# Altium PCB PCB2.PcbDoc
Units mm, origin at the board's own origin, x right, y up, seen from the top; angles counter-clockwise.
Board outline 150 x 100 mm, 2 copper layers (Top Layer, Bottom Layer); 100 components, 91 nets, 437 pads, 9 vias.
Unrouted connection lines stored in the file: 280.
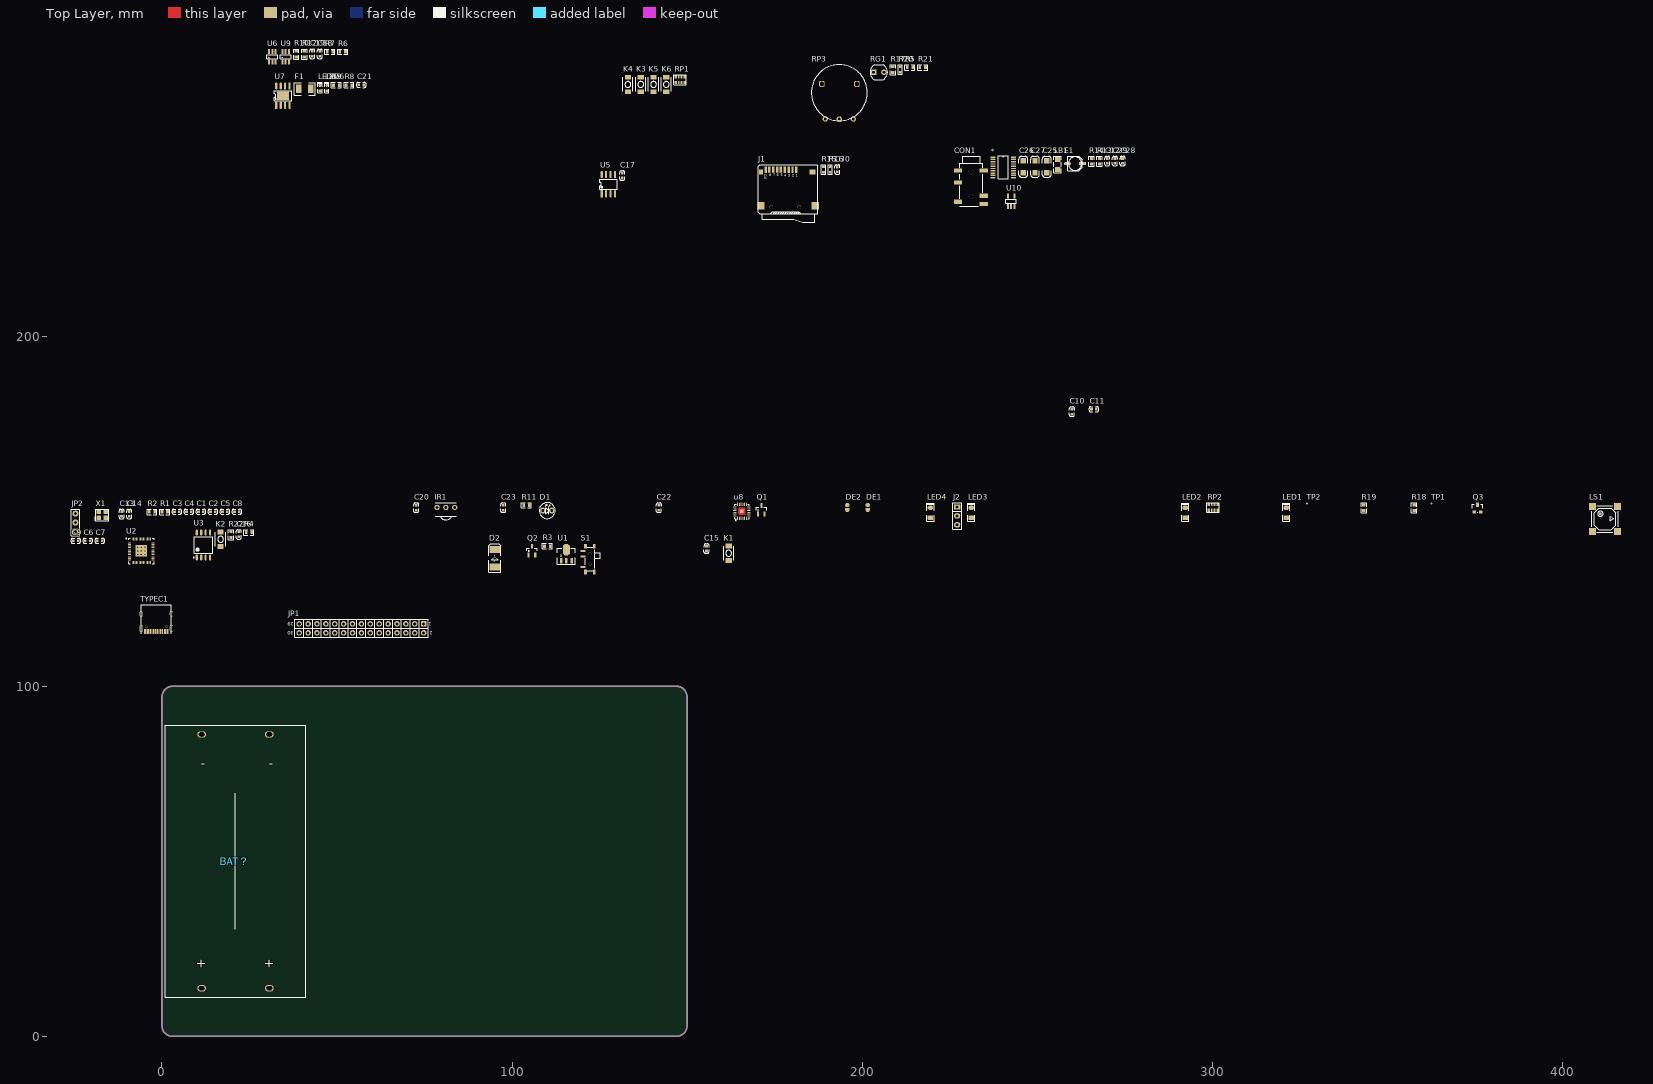
[diagram p0: Top Layer view]
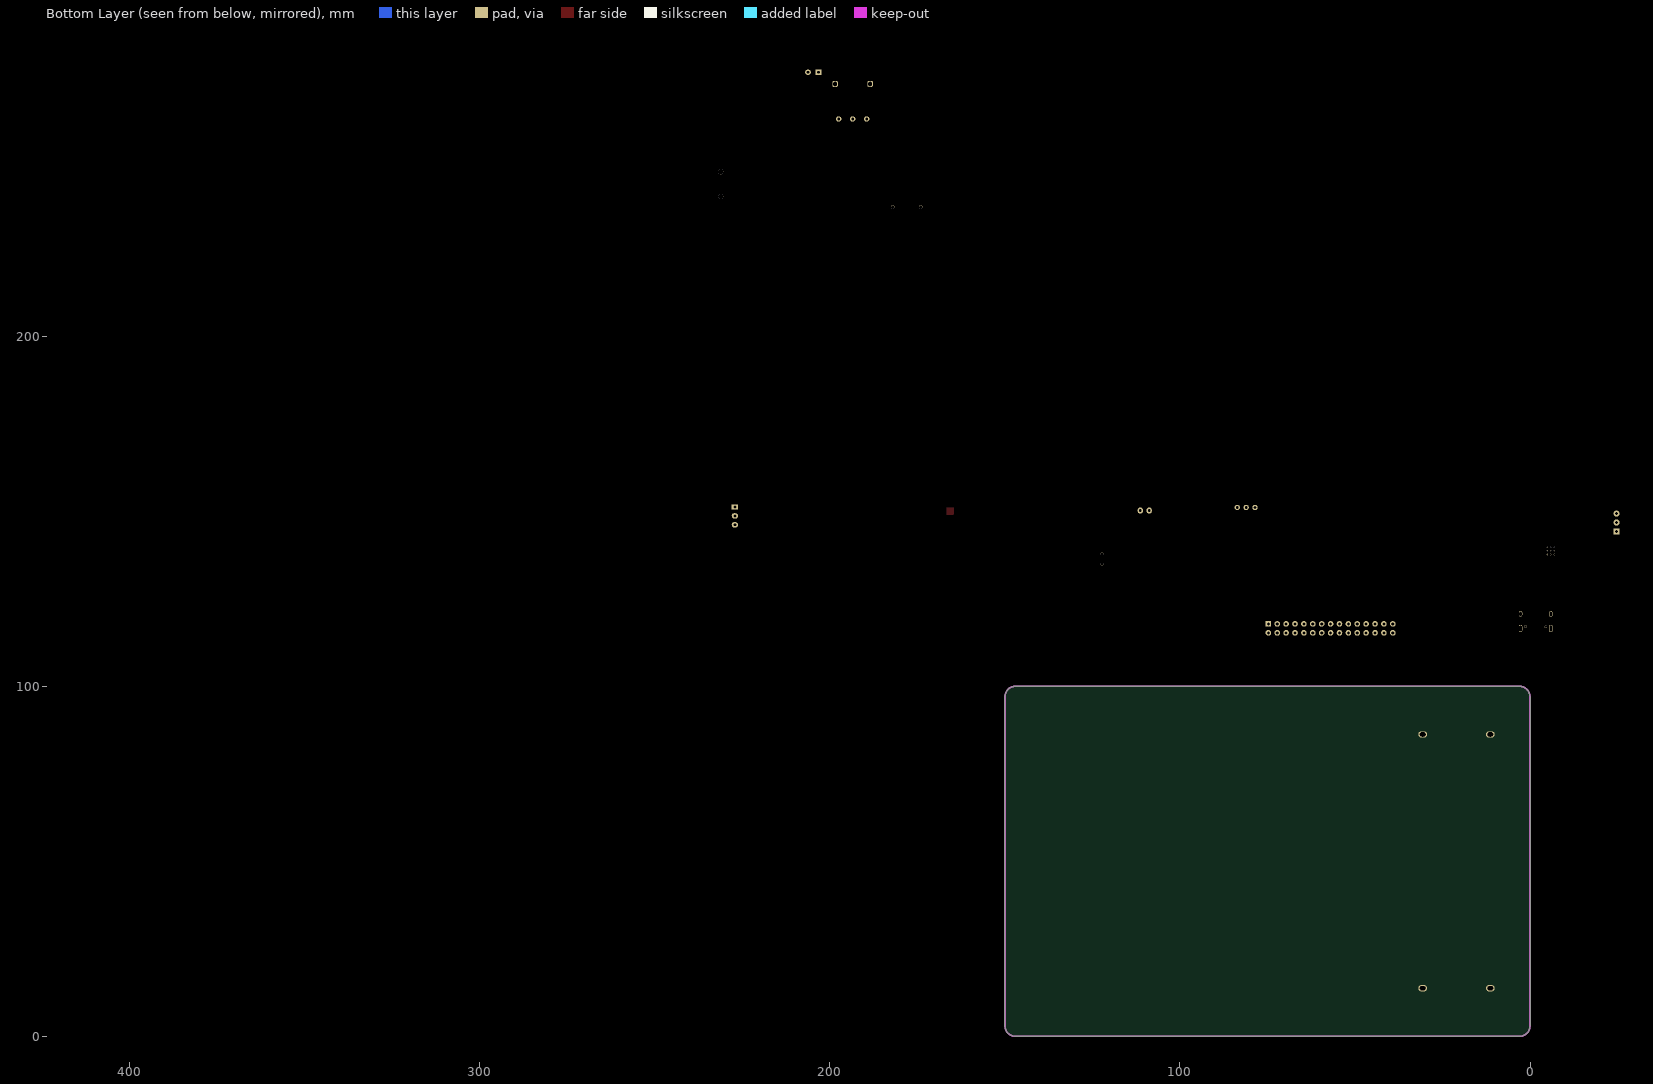
[diagram p1: Bottom Layer view, seen from below]

## Layer stack, top to bottom
Top Solder: solder mask 0.0102, Solder Resist, Dk 3.5
Top Layer: signal copper 0.0356
Dielectric 1: dielectric 0.32, FR-4, Dk 4.8
Bottom Layer: signal copper 0.0356
Bottom Solder: solder mask 0.0102, Solder Resist, Dk 3.5

## Board outline
0,3 0,97 cw(c3,97) 3,100 147,100 cw(c147,97) 150,97 150,3 cw(c147,3) 147,0 3,0 cw(c3,3)

## Design rules (kind name [scope] priority, off if disabled: settings)
Clearance [All] p1: gap=0.1 ignorepadtopadclearanceinfootprint=TRUE
ComponentClearance [All] p1 off: gap=0.254 collisioncheckmode=3 verticalgap=0.254 showdistances=FALSE
DiffPairsRouting [All] p1: maxlimit=0.254 minlimit=0.1 mostfreqgap=0.1 toplayer_minwidth=0.1 toplayer_maxwidth=0.381 toplayer_prefwidth=0.1 bottomlayer_minwidth=0.1 bottomlayer_maxwidth=0.381 bottomlayer_prefwidth=0.1 maxuncoupledlength=12.7
MinimumSolderMaskSliver [All] p1: minsoldermaskwidth=0.127
PlaneConnect [All] p1: pad.planeconnectstyle=Relief pad.reliefexpansion=0.508 pad.reliefentries=4 pad.reliefconductorwidth=0.5 pad.reliefairgap=0.254 via.planeconnectstyle=Direct via.reliefexpansion=0.508 via.reliefentries=4 via.reliefconductorwidth=0.254 via.reliefairgap=0.254
PolygonConnect [All] p1: thpad.connectstyle=Relief thpad.reliefconductorwidth=0.25 thpad.reliefentries=4 thpad.polygonreliefangle="90 Angle" thpad.airgapwidth=0.2 smdpad.connectstyle=Relief smdpad.reliefconductorwidth=0.25 smdpad.reliefentries=4 smdpad.polygonreliefangle="90 Angle" smdpad.airgapwidth=0.2 via.connectstyle=Direct via.reliefconductorwidth=0.254 via.reliefentries=4 via.polygonreliefangle="90 Angle" via.airgapwidth=0.254
RoutingVias [All] p1: holewidth=0.3 width=0.5 viastyle="Through Hole" minholewidth=0.3 minwidth=0.5 maxholewidth=0.711 maxwidth=1.27
SilkToSilkClearance [All] p1 off: silktosilkclearance=0.254
SilkToSolderMaskClearance [IsPad] p1 off: minsilkscreentomaskgap=0.254 clearancetoexposedcopper=TRUE
SolderMaskExpansion [All] p1: expansion=0.102 istentingtop=TRUE
Width [All] p1: maxlimit=1 minlimit=0.1 preferedwidth=0.1
24 further rules are at their usual default settings.

## Classes and differential pairs
differential pair D: +D_P -D_N

## Components (designator, comment, footprint, x,y, rotation, side; value= is the part's Value field where it differs from the comment)
* "PCM5101A" TSSOP20 237.368,251.164 r0 top
BAT？ "18650两节电池盒" 18650两节电池盒 21,50 r90 top
C1 "0.1u" 0603C 10.423,149.899 r0 top
C2 "1u" 0603C 13.85,149.899 r0 top
C3 "0.1u" 0603C 3.568,149.899 r0 top
C4 "1u" 0603C 6.996,149.899 r0 top
C5 "0.1u" 0603C 17.278,149.899 r0 top
C6 "0.1u" 0603C -21.899,141.571 r0 top
C7 "0.1u" 0603C -18.472,141.571 r0 top
C8 "0.1u" 0603C 20.705,149.899 r0 top
C9 "0.1u" 0603C -25.326,141.571 r0 top
C10 "0.1u" 0603C 259.921,177.752 r90 top
C11 "0.1u" 0603C 265.509,179.149 r0 top
C12 "2.2u" 0603C 270.016,249.376 r90 top
C13 "20p" 0603C -11.569,148.538 r90 top
C14 "20p" 0603C -9.388,148.538 r90 top
C15 "0.1u" 0603C 155.527,138.636 r90 top
C16 "0.1u" 0603C 21.905,142.696 r90 top
C17 "0.1uF" 0603C 131.432,245.185 r90 top
C18 "104" 0603C 45.047,279.983 r90 top
C19 "10u" 0603C 42.865,279.983 r90 top
C20 "0.1uF" 0603C 72.596,150.32 r90 top
C21 "10u" 0603C 56.24,271.819 r0 top
C22 "2.2nF" 0603C 141.938,150.32 r90 top
C23 "0.1uF" 0603C 97.488,150.32 r90 top
C25 "0.1u" 1206C 252.755,246.688 r90 top
C26 "0.1u" 1206C 246.05,246.688 r90 top
C27 "0.1u" 1206C 249.403,246.688 r90 top
C28 "0.1u" 0603C 274.379,249.376 r90 top
C29 "0.1u" 0603C 272.197,249.376 r90 top
C30 "0.1uF" 0603C 192.911,246.963 r90 top
CON1 "PJ342" PJ342A 231.201,251.412 r0 top
D1 "LED" LED3-RED 108.791,150.193 r0 top
D2 "DIODE SCHOTTKY" SMA/DO-214AC 95.075,134.191 r90 top
DE1 "DEBUG PAD" DEBUG_B 201.628,151.082 r90 top
DE2 "DEBUG PAD" DEBUG_B 195.786,151.082 r90 top
E1 "10uF/10V" "CM B(4*5.4)" 260.832,249.312 r0 top
F1 "FUSE" FUSE-1210 39.139,270.64 r0 top
IR1 "IRM-3638T" IRM-3638T 81.105,151.082 r0 top
J1 "TF_Card" "Micro SD" 171.123,237.299 r0 top
J2 "I2C" "Pin HDR1X3/2.54mm-S" 227.155,151.209 r0 top
JP1 "Header 2X11" HDR2.54-LI-2x15P 56.975,116.538 r180 top
JP2 "HDR-1X3" HDR2.54-LI-3P -24.713,146.791 r90 top
K1 "RUN" 轻触按键 161.877,138.001 r90 top
K2 "BOOTSEL" 轻触按键 16.732,142.007 r90 top
K3 "IO1-0" 轻触按键 136.763,271.928 r90 top
K4 "IO2-0" 轻触按键 133.101,271.928 r90 top
K5 "IO3-0" 轻触按键 140.425,271.928 r90 top
K6 "IO4-0" 轻触按键 144.087,271.928 r90 top
LB1 "0R@100MHz" "FB 1206_L" 255.854,249.075 r90 top
LED1 "红色" "LED 1206W" 321.135,149.558 r90 top
LED2 "红色" "LED 1206W" 292.306,149.558 r90 top
LED3 "红色" "LED 1206W" 231.219,149.558 r90 top
LED4 "红色" "LED 1206W" 219.535,149.558 r90 top
LED5 "绿色" "LED 0603G" 45.149,270.868 r90 top
LED6 "红色" "LED 0603R" 47.06,270.868 r90 top
LS1 "DC5V" BUZZER-7525 410.924,149.304 r0 top
Q1 "N-MOS" SOT23 170.259,149.177 r0 top
Q2 "P-MOS" SOT23 104.727,137.493 r0 top
Q3 "SS8050" SOT-23 374.856,149.812 r0 top
R1 "27.4R" 0603R -0.033,149.812 r0 top
R2 "27.4R" 0603R -3.64,149.812 r0 top
R3 "27.4R" 0603R 109.299,140.033 r0 top
R4 "10k" 0603R 24.046,143.97 r0 top
R5 "27.4R" 0603R 212.884,276.812 r0 top
R6 "1kR" 0603R 50.795,281.257 r0 top
R7 "100" 0603R 47.188,281.257 r0 top
R8 "4.7k" 0603R 52.639,271.732 r0 top
R9 "1.1k" 0603R 49.032,271.732 r0 top
R10 "27.4R" 0603R 38.38,279.809 r90 top
R11 "27.4R" 0603R 103.33,151.717 r0 top
R12 "100" 0603R 40.666,279.809 r90 top
R13 "27.4R" 0603R 267.817,249.202 r90 top
R14 "27.4R" 0603R 265.531,249.202 r90 top
R15 "1K" "R 0603_L" 188.959,247.632 r90 top
R16 "1K" "R 0603_L" 190.89,247.632 r90 top
R17 "27.4R" 0603R 208.795,275.364 r90 top
R18 "27.4R" 0603R 357.711,150.193 r90 top
R19 "27.4R" 0603R 343.36,150.193 r90 top
R20 "NTC" "R 0603_L" 210.903,276.207 r90 top
R21 "27.4R" 0603R 216.491,276.812 r0 top
R22 "10k" 0603R 19.706,142.522 r90 top
RG1 "Photoresistor" Photoresistor 203.266,275.415 r0 top
RP1 "103" RCA-8P4R-0603 148.026,273.307 r0 top
RP2 "103" RCA-8P4R-0603 300.307,151.082 r0 top
RP3 "10K" 拨盘电位器 193.499,269.574 r0 top
S1 "SS-12F23" MSK-12C01-07 122.253,136.35 r90 top
TP1 "TestPoint" TEST_POINT 362.664,152.225 r90 top
TP2 "TestPoint" TEST_POINT 327.104,152.225 r90 top
TYPEC1 "TYPEC16P" TYPEC-16P -1.603,115.601 r180 top
U1 "AMS1117" SOT89 113.998,135.842 r0 top
U2 "RP2040" QFN-56 -5.912,138.69 r0 top
U3 "W125Q128JV" SOIC-8-208MIL 11.847,140.357 r90 top
U5 "M24C64-WMN6TP" SOP8 125.617,240.696 r90 top
U6 "DW06D" SOT23-6 30.575,278.344 r0 top
U7 "TP4056" ESOP8 34.558,268.719 r90 top
u8 "MPU6050" "QFN24 4x4" 165.687,149.939 r0 top
U9 "DW06D" SOT23-6 34.383,278.344 r0 top
U10 "RT9013-33GB" SOT23-5 241.637,237.069 r0 top
X1 "XTAL-4P" "OSC 3225-4P" -17.041,148.975 r0 top

## Footprints (in the part's own frame and the unit in brackets; to place one, negate y for a bottom-side part, rotate by r counter-clockwise, add the part's x,y. Pads: shape width x height; smd on the part's side, far side on the other; paste and mask are expansions set on the pad)
0603C [mil]
  rect 30x30 smd: 1(0.21,-0.35) 2(55.21,-1.35)
  silkscreen extent -26,-30 81,28, body extent -1,-15 62,17, height 12
0603R [mm]
  rect 0.8x0.965 smd: 1(0,0) 2(1.6,0)
  silkscreen extent -0.64,-0.76 2.21,0.76, body extent -0.04,-0.41 1.56,0.41, height 0.45
1206C [mil]
  rect 60x60 smd: 1(0,0) 2(135,0)
  silkscreen extent -50,-50 185,50, body extent 2,-31 128,32, height 39
18650两节电池盒 [mm]
  oval 1.8x2.5 hole 1.6 slot 1.2 at 0 deg: 1(-36.25,9.65) 2(-36.25,-9.65) 3(36.25,-9.65) 4(36.25,9.65)
  silkscreen extent -38.85,-20.1 38.85,20.1
BUZZER-7525 [mm] "长：7.5mm，宽：7.5mm，高：2.5mm"
  rect 2x2 smd: 1(-2.33,2.076) 2(-2.33,-5.124) 3(4.87,-5.124) 4(4.87,2.076)
  silkscreen extent -2.53,-5.32 5.07,2.28, body extent -2.48,-5.27 5.02,2.23, height 2.55
"CM B(4*5.4)" [mm] "贴片电解电容，直径4mm，高5.4mm"
  rect 2.1x0.8 smd: 1(2.15,0)
  oval 2.1x0.8 smd: 2(-2.15,0)
  silkscreen extent -2.1,-2.1 2.1,2.1, body extent -2.3,-2.12 2.3,2.18, height 5.4
DEBUG_B [mm] "调试断点焊盘"
  round 1.2 smd: 1(-0.711,0) 2(0.711,0)
  rect 0.5x1.2 smd: 1(-0.457,0) 2(0.457,0)
  oval 0.2x1.2 smd: 1(-0.203,0) 2(0.203,0)
ESOP8 [mm]
  rect 2.1x0.6 smd: 1(-2.75,1.905)
  oval 2.1x0.6 smd: 2(-2.75,0.635) 3(-2.75,-0.635) 4(-2.75,-1.905) 5(2.75,-1.905) 6(2.75,-0.635) 7(2.75,0.635) 8(2.75,1.905)
  rect 2.5x3.4 smd paste-2: 9(0,0)
  rect 0.9x0.7 on Top Paste: 10(-0.625,1.1) 10(-0.625,0) 10(-0.625,-1.1) 11(0.65,1.1) 11(0.65,0) 11(0.65,-1.1)
  silkscreen extent -1.4,-2.5 1.4,2.5, body extent -3.05,-2.5 2.95,2.5, height 1.53
"FB 1206_L" [mil] "小功率贴片磁珠"
  rect 55x62 smd: 1(-55.12,0) 2(55.11,0)
  silkscreen extent -92,-41 92,41, body extent -68,-31 58,32, height 35
FUSE-1210 [mil]
  rect 60x100 smd: 1(-2,2) 2(133,2)
  silkscreen extent -52,-68 183,72, body extent 8,-49 134,53, height 27
HDR2.54-LI-2x15P [mm] "双排排针，15x2脚"
  rect 1.6x1.6 hole 0.9: 1(-17.78,-1.27)
  round 1.6 hole 0.9: 2(-17.78,1.27) 3(-15.24,-1.27) 4(-15.24,1.27) 5(-12.7,-1.27) 6(-12.7,1.27) 7(-10.16,-1.27) 8(-10.16,1.27) 9(-7.62,-1.27) 10(-7.62,1.27) 11(-5.08,-1.27) 12(-5.08,1.27) 13(-2.54,-1.27) 14(-2.54,1.27) 15(0,-1.27) 16(0,1.27) 17(2.54,-1.27) 18(2.54,1.27) 19(5.08,-1.27) 20(5.08,1.27) 21(7.62,-1.27) 22(7.62,1.27) 23(10.16,-1.27) 24(10.16,1.27) 25(12.7,-1.27) 26(12.7,1.27) 27(15.24,-1.27) 28(15.24,1.27) 29(17.78,-1.27) 30(17.78,1.27)
  silkscreen extent -19.05,-2.54 19.05,2.54, body extent -19.05,-2.54 19.05,2.54, height 8.5
HDR2.54-LI-3P [mm] "排针，3脚"
  rect 1.7x1.7 hole 0.9: 1(-2.54,0)
  round 1.7 hole 0.9: 2(0,0) 3(2.54,0)
  silkscreen extent -3.81,-1.27 3.81,1.27, body extent -3.81,-1.27 3.81,1.27, height 8.5
IRM-3638T [mil]
  round 60 hole 30: 1(-100,0) 2(0,0) 3(100,0)
  silkscreen extent -118,-140 118,51
LED3-RED [mm]
  oval 1.5x1.8 hole 0.8: A(0,0) K(2.54,0)
  silkscreen extent -1.01,-2.29 3.56,2.29, body extent -0.74,-2 2.78,1.99, height 5.2
"LED 0603G" [mil] "绿色0603LED"
  rect 30x30 smd: 1(-30.59,0)
  oct 30x30 smd: 2(30.59,0)
  silkscreen extent -54,-24 65,24, body extent -31,-16 32,16, height 24
"LED 0603R" [mil] "红色0603LED"
  rect 30x30 smd: 1(-30.59,0)
  oct 30x30 smd: 2(30.59,0)
  silkscreen extent -54,-24 65,24, body extent -31,-16 32,16, height 24
"LED 1206W" [mil] "白色1206LED"
  rect 55x62 smd: 1(-55.12,0)
  oct 55x62 smd: 2(57.09,0)
  silkscreen extent -93,-40 110,40, body extent -63,-32 63,32, height 40
"Micro SD" [mm]
  rect 2.032x2.2 smd: 0(0,0) 0(15.5,0)
  rect 1.2x1.4 smd: 0(0,9.6)
  round 1 hole 1 unplated: 0(2.9,-0.4) 0(10.9,-0.4)
  rect 1.6x1.4 smd: 0(14.7,9.6)
  rect 0.7x1.8 smd: 1(10.1,10.227) 2(9,10.227) 3(7.9,10.227) 4(6.8,10.227) 5(5.7,10.227) 6(4.6,10.227) 7(3.5,10.227) 8(2.4,10.227) 9(1.3,10.227)
  silkscreen extent -0.72,-4.68 16.27,11.75, body extent -0.27,-4.63 16,10.57, height 1.8
MSK-12C01-07 [mm] "6.7*2.8*1.5mm(长宽高）"
  rect 1.4x0.8 smd: 0(-3.65,-1.25) 0(-3.65,1.25) 0(3.65,-1.25) 0(3.65,1.25)
  rect 0.6x1.5 smd: 1(-2.25,1.996) 2(0.75,1.996) 3(2.25,1.996)
  round 0.8 hole 0.8: " "(-1.5,0) " "(1.5,0)
  silkscreen extent -3.35,-2.92 3.35,1.4, body extent -3.92,-2.9 3.92,2.4, height 1.5
"OSC 3225-4P" [mm]
  rect 1.3x1.2 smd: 1(-1.05,-0.85) 2(1.05,-0.85) 3(1.05,0.85) 4(-1.05,0.85)
  silkscreen extent -2.03,-1.75 1.91,1.65, body extent -1.47,-1.27 1.73,1.23, height 0.7
Photoresistor [mm]
  rect 1.6x1.6 hole 0.8: 1(0,0)
  round 1.6 hole 0.8: 2(3,0)
  silkscreen extent -1,-2.16 4,2.16, body extent -1,-2.16 4,2.14, height 1.9
"Pin HDR1X3/2.54mm-S" [mil]
  rect 70x60 hole 32: 1(0,0)
  oval 70x60 hole 32: 2(0,-100) 3(0,-200)
  silkscreen extent -50,-250 50,50, body extent -50,-250 50,50, height 336
PJ342A [mm] "有头"
  round 1.5 hole 1.5: 0(0,-11.5) 0(0,-4.4)
  rect 2.3x1.2 smd: 1(-3.81,-4.1) 2(3.556,-4.1) 3(-3.81,-7.5) 4(3.556,-11.3) 5(-3.81,-13) 6(3.556,-13.6)
  silkscreen extent -3.3,-14.22 3.3,0, body extent -4.15,-14.1 4.15,0, height 4.7
"QFN24 4x4" [mm]
  rect 0.3x1 smd: 1(-1.25,-2)
  oval 0.3x1 smd: 2(-0.75,-2) 3(-0.25,-2) 4(0.25,-2) 5(0.75,-2) 6(1.25,-2) 13(1.25,2) 14(0.75,2) 15(0.25,2) 16(-0.25,2) 17(-0.75,2) 18(-1.25,2)
  oval 1x0.3 smd: 7(2,-1.25) 8(2,-0.75) 9(2,-0.25) 10(2,0.25) 11(2,0.75) 12(2,1.25) 19(-2,1.25) 20(-2,0.75) 21(-2,0.25) 22(-2,-0.25) 23(-2,-0.75) 24(-2,-1.25)
  rect 1x1 smd: 25(0,0)
  Top Layer region: -1,1 1,1 1,-1 -0.75,-1 -1,-0.75
  silkscreen extent -2.11,-2.6 2.11,2.11, body extent -2.01,-1.98 2.01,2.04, height 0.98
QFN-56 [mm] "RP2040"
  rect 0.9x0.2 smd: 1(-3.375,2.6) 2(-3.375,2.2) 3(-3.375,1.8) 4(-3.375,1.4) 5(-3.375,1) 6(-3.375,0.6) 7(-3.375,0.2) 8(-3.375,-0.2) 9(-3.375,-0.6) 10(-3.375,-1) 11(-3.375,-1.4) 12(-3.375,-1.8) 13(-3.375,-2.2) 14(-3.375,-2.6) 29(3.375,-2.6) 30(3.375,-2.2) 31(3.375,-1.8) 32(3.375,-1.4) 33(3.375,-1) 34(3.375,-0.6) 35(3.375,-0.2) 36(3.375,0.2) 37(3.375,0.6) 38(3.375,1) 39(3.375,1.4) 40(3.375,1.8) 41(3.375,2.2) 42(3.375,2.6)
  rect 0.2x0.9 smd: 15(-2.6,-3.375) 16(-2.2,-3.375) 17(-1.8,-3.375) 18(-1.4,-3.375) 19(-1,-3.375) 20(-0.6,-3.375) 21(-0.2,-3.375) 22(0.2,-3.375) 23(0.6,-3.375) 24(1,-3.375) 25(1.4,-3.375) 26(1.8,-3.375) 27(2.2,-3.375) 28(2.6,-3.375) 43(2.6,3.375) 44(2.2,3.375) 45(1.8,3.375) 46(1.4,3.375) 47(1,3.375) 48(0.6,3.375) 49(0.2,3.375) 50(-0.2,3.375) 51(-0.6,3.375) 52(-1,3.375) 53(-1.4,3.375) 54(-1.8,3.375) 55(-2.2,3.375) 56(-2.6,3.375)
  rect 3.2x3.2 smd: 57(0,0)
  silkscreen extent -4.42,-3.65 3.65,3.65, body extent -3.5,-3.5 3.5,3.5, height 0.9
"R 0603_L" [mil] "1/10W贴片电阻"
  rect 30x30 smd: 1(-30.59,0) 2(30.59,0)
  silkscreen extent -55,-24 55,24, body extent -31,-16 32,16, height 16
RCA-8P4R-0603 [mm] "3.2mm*1.6mm*0.6mm(长*宽*厚)"
  rect 0.65x0.9 smd: 1(-1.28,-0.8) 4(1.28,-0.8) 5(1.28,0.8) 8(-1.28,0.8)
  rect 0.5x0.9 smd: 2(-0.4,-0.8) 3(0.4,-0.8) 6(0.4,0.8) 7(-0.4,0.8)
  silkscreen extent -1.78,-1.4 1.78,1.4, body extent -1.6,-0.8 1.6,0.8, height 0.6
SMA/DO-214AC [mm] "塑封二极管"
  rect 2x3 smd: A(-0.127,0) K(4.953,0)
  silkscreen extent -1.63,-1.75 6.48,1.75, body extent 0.11,-1.35 4.71,1.35, height 2.4
SOIC-8-208MIL [mm] "SOIC, 8-Leads, Body 5.28x5.28mm, Pitch 1.27mm, IPC Medium Density"
  oval 1.7x0.6 smd: 1(-3.55,1.905) 2(-3.55,0.635) 3(-3.55,-0.635) 4(-3.55,-1.905) 5(3.55,-1.905) 6(3.55,-0.635) 7(3.55,0.635) 8(3.55,1.905)
  silkscreen extent -3.67,-2.7 2.3,2.88, body extent -2.7,-2.7 2.7,2.7, height 1.95
SOP8 [mm]
  rect 2.1x0.6 smd: 1(0,0)
  oval 2.1x0.6 smd: 2(0,-1.27) 3(0,-2.54) 4(0,-3.81) 5(5.5,-3.81) 6(5.5,-2.54) 7(5.5,-1.27) 8(5.5,0)
  silkscreen extent 1.35,-4.41 4.15,0.6, body extent -0.21,-4.4 5.8,0.6, height 1.9
SOT23 [mm]
  rect 0.6x1.4 smd: D(0.95,2.514) G(0,0) S(1.9,0)
  silkscreen extent -0.55,1.02 2.45,1.97, body extent -0.56,0.22 2.44,2.62, height 1.05
SOT23-5 [mm]
  rect 0.55x1.4 smd: 1(0,0) 2(0.95,0) 3(1.9,0) 4(1.9,3) 5(0,3)
  silkscreen extent -0.55,0.94 2.45,2.06, body extent -0.55,0.27 2.45,3.08, height 1.15
SOT23-6 [mm]
  rect 0.55x1.4 smd: 1(0,0) 2(0.95,0) 3(1.9,0) 4(1.9,3) 5(0.95,3) 6(0,3)
  silkscreen extent -0.6,0.99 2.5,2.01, body extent -0.55,0 2.45,2.81, height 1.15
SOT89 [mm]
  rect 0.7x1.6 smd: 1(0,0) 2(1.5,-0.003) 3(3,0)
  oct 2x3.4 smd: 2(1.525,3.172)
  silkscreen extent -1.04,-0.99 4.04,3.58, body extent -0.79,-0.37 3.81,3.93, height 1.6
SOT-23 [mil]
  rect 36x36 smd: 1(0,0) 2(75,0)
  rect 36x50 smd: 3(38,80)
  silkscreen extent -20,-5 95,85
TEST_POINT [mm]
  round 0.5 smd: 1(0,0)
TSSOP20 [mm]
  rect 1.5x0.4 smd: 1(0,0)
  oval 1.5x0.4 smd: 2(0,-0.65) 3(0,-1.3) 4(0,-1.95) 5(0,-2.6) 6(0,-3.25) 7(0,-3.9) 8(0,-4.55) 9(0,-5.2) 10(0,-5.85) 11(5.9,-5.85) 12(5.9,-5.2) 13(5.9,-4.55) 14(5.9,-3.9) 15(5.9,-3.25) 16(5.9,-2.6) 17(5.9,-1.95) 18(5.9,-1.3) 19(5.9,-0.65) 20(5.9,0)
  silkscreen extent 1.48,-6.18 4.42,0.33
TYPEC-16P [mm]
  oval 1x2.1 hole 1.7 slot 0.6 at 0 deg: 1(-4.32,-0.915) 2(4.32,-0.915)
  oval 1x1.6 hole 1.2 slot 0.6 at 0 deg: 3(4.32,-5.095) 4(-4.32,-5.095)
  rect 0.6x1.45 smd: A1B12(-3.225,0) A4B9(-2.45,0) A9B4(2.45,0) A12B1(3.225,0)
  rect 0.3x1.45 smd: A5(-1.25,0) A6(-0.25,0) A7(0.25,0) A8(1.25,0) B5(1.75,0) B6(0.75,0) B7(-0.75,0) B8(-1.75,0)
  round 0.65 hole 0.65 unplated: ""(-2.89,-1.445) ""(2.89,-1.445)
  silkscreen extent -4.32,-7.7 4.32,0.63
拨盘电位器 [mm]
  round 1.524 hole 0.8: 1(-4,-7.5) 2(0,-7.5) 3(4,-7.5)
  rrect50% 1.524x1.7 hole 1.2 slot 1 at 0 deg: ""(-5,2.5) ""(5,2.5)
  silkscreen extent -8,-8 8,8
轻触按键 [mm] "TS-1088"
  rect 1.35x1.8 smd: 1(-2.075,0) 2(2.075,0)
  silkscreen extent -2,-1.45 2,1.45

## Part data
C1 C3 C5 C6 C7 C8 C9 C10 C11 C12 C13 C14 C15 C16 C17 C18 C19 C20 C21 C22 C23 C25 C26 C27 C28 C29 C30: library part CAP, "无极性电容"
C2 C4: library part CAP, "靠近RP2040"
CON1: "3.5耳机插座,4Pin", BOM名称=耳机插座, 学习资源=www.ooocke.com, 版权归属=源创客
D2: "肖特基二极管"
DE1 DE2: library part DEBUG, "调试断点焊盘", BOM名称=调试断点焊盘, 学习资源=www.ooocke.com, 版权归属=源创客
E1: library part C-CM, "贴片电解电容", BOM名称=贴片电解电容, 学习资源=www.ooocke.com, 版权归属=源创客
J1: "TF卡座", BOM名称=TF卡座, 学习资源=www.ooocke.com, 版权归属=源创客
J2: library part "Pin HDR1X3"
JP1: library part "Header 15X2", "15*2P接插件", BOM名称=15*2P接插件, 学习资源=www.ooocke.com, 版权归属=源创客
JP2: library part "Header 3", "3P接插件", BOM名称=3P接插件, 学习资源=www.ooocke.com, 版权归属=源创客
K1 K2 K3 K4 K5 K6: library part 两脚轻触开关
LB1: library part LB, "磁珠", BOM名称=磁珠, 学习资源=www.ooocke.com, 版权归属=源创客
LED1 LED2 LED3 LED4 LED5 LED6: library part LED-SMD, "贴片LED", BOM名称=贴片LED, 学习资源=www.ooocke.com, 版权归属=源创客
LS1: library part BEEP, "蜂鸣器", BOM名称=蜂鸣器, 学习资源=www.ooocke.com, 版权归属=源创客
Q1: "N沟道场效应管"
Q2: "P沟道场效应管"
Q3: library part 8050-SMD, "高频放大-NPN型", BOM名称=高频放大-NPN型, 学习资源=www.ooocke.com, 属性="40V 1.5A 1W 100MHZ", 版权归属=源创客
R1 R2 R3 R4 R5 R6 R7 R8 R9 R10 R11 R12 R13 R14 R17 R18 R19 R21 R22: library part RES
R15 R16 R20: library part R, "贴片电阻", BOM名称=贴片电阻, 学习资源=www.ooocke.com, 版权归属=源创客
RG1: "光敏电阻"
RP1 RP2: library part R-8P4R, "贴片网络排阻", BOM名称=贴片网络排阻, 学习资源=www.ooocke.com, 版权归属=源创客
RP3: library part RP-SMD, "贴片电位器", BOM名称=贴片电位器, 学习资源=www.ooocke.com, 版权归属=源创客
S1: library part SSW-1P, "1路波动开关", BOM名称=波动开关, 学习资源=www.ooocke.com, 版权归属=源创客
U1: "三端稳压芯片"
X1: "4脚无源晶振"

## Via types
v1: diameter 0.5, hole 0.3, Top Layer to Bottom Layer, tented both sides, 9 vias

## Nets (pads, with @x,y where several pads share a name; then routed paths per layer and width w, separated by ;. In a path a pad name is that pad's centre, name@x,y a point inside that pad or via, vN(x,y) a via of type N, cw(c..) or ccw(c..) an arc to the next point about the centre after c; other vN are vias at no path point)
3V3: C4.2 C5.2 C6.2 C7.2 C8.2 C9.2 C10.2 C11.2 C16.1 C17.2 C20.2 C30.1 IR1.3 J1.4 R3.2 R15.1 R16.1 R20.1 R22.2 RG1.1 RP3.1 U1.2 U2.1 U2.10 U2.22 U2.23 U2.33 U2.42 U2.43 U2.44 U2.48 U2.49 U3.8 U5.8 u8.8 u8.13
3V3A: *.1 *.8 *.17 *.20 C25.1 C26.1 C27.1 E1.1 U10.5
+5: C21.1 D2.A R8.2 TYPEC1.A4B9 TYPEC1.A9B4 U7.4 U7.8
AGND: *.3 *.9 *.10 *.11 *.12 *.16 *.19 C25.2 C26.2 C27.2 C28.2 C29.2 CON1.1 E1.2 LB1.1
AUDIO_L: CON1.4 R14.2
AUDIO_R: CON1.3 R13.2
B1-: BAT？.4 C18.1 U6.3 U6.6
B2-: BAT？.3 C19.1 U9.3 U9.6
BAT+: BAT？.1 BAT？.2 Q2.D R7.2 R12.2 TP1.1 U7.5
BAT-: F1.1 R6.2 R10.2 TP2.1 U6.2 U9.2
BOOTSEL: K2.2 R4.1
D_N: R2.2 TYPEC1.A7 TYPEC1.B7
D_P: R1.2 TYPEC1.A6 TYPEC1.B6
GND: C1.1 C2.1 C3.1 C4.1 C5.1 C6.1 C7.1 C8.1 C9.1 C10.1 C11.1 C13.1 C14.1 C15.1 C16.2 C17.1 C20.1 C21.2 C22.1 C23.1 C30.2 D1.K F1.2 IR1.2 J1.6 J2.1 JP2.2 K1.2 K2.1 LB1.2 Q1.S Q3.2 R5.2 R9.1 R17.2 R19.1 R21.2 RP1.5 RP1.6 RP1.7 RP1.8 TYPEC1.A1B12 TYPEC1.A12B1 U1.1 U2.19 U2.57 U3.4 U5.1 U5.2 U5.3 U5.4 U7.1 U7.3 u8.1 u8.9 u8.11 u8.18 U10.2 X1.2 X1.4
  other v1: -6.928,137.674 -5.912,137.674 -4.896,137.674 -6.928,138.69 -5.912,138.69 -4.896,138.69 -6.928,139.706 -5.912,139.706 -4.896,139.706
GPIO0: JP1.1 U2.2
GPIO1: JP1.3 K3.1 U2.3
GPIO2: JP1.5 K4.1 U2.4
GPIO3: JP1.7 K5.1 U2.5
GPIO4: JP1.9 K6.1 U2.6
GPIO5: J1.5 JP1.11 Q1.G U2.7
GPIO6: DE1.1 JP1.13 U2.8
GPIO7: DE2.1 JP1.15 R18.1 U2.9
GPIO8: IR1.1 JP1.17 U2.11
GPIO9: JP1.19 R11.2 U2.12
GPIO10: JP1.21 U2.13
GPIO11: JP1.23 U2.14 u8.12
GPIO12: JP1.25 U2.15
GPIO13: JP1.27 U2.16
GPIO14: JP1.29 U2.17
GPIO15: JP1.2 U2.18
GPIO16: JP1.4 U2.27
GPIO17: JP1.6 U2.28
GPIO18: J1.3 JP1.8 U2.29
GPIO19: J1.7 JP1.10 U2.30
GPIO20: J1.8 JP1.12 R16.2 U2.31
GPIO21: J1.1 JP1.14 R15.2 U2.32
GPIO22: J1.2 JP1.16 U2.34
GPIO23: *.14 JP1.18 U2.35
GPIO24: *.13 JP1.20 U2.36
GPIO25: *.15 JP1.22 U2.37
GPIO26: JP1.24 U2.38
GPIO27: JP1.26 RP3.2 U2.39
GPIO28: JP1.28 R20.2 R21.1 U2.40
GPIO29: JP1.30 R5.1 RG1.2 U2.41
Net*_2: *.2 C12.1
Net*_4: *.4 C12.2
Net*_5: *.5 C29.1
Net*_6: *.6 R14.1
Net*_7: *.7 R13.1
Net*_18: *.18 C28.1
NetC1_2: C1.2 C2.2 C3.2 U2.45 U2.50
NetC15_2: C15.2 K1.1 R3.1 U2.26
NetC18_2: C18.2 R7.1 U6.5
NetC19_2: C19.2 R12.1 U9.5
NetC22_2: C22.2 u8.20
NetC23_2: C23.2 u8.10
NetD1_A: D1.A R11.1
NetD2_K: D2.K Q2.G Q2.S S1.2
NetK3_2: K3.2 RP1.1
NetK4_2: K4.2 RP1.2
NetK5_2: K5.2 RP1.3
NetK6_2: K6.2 RP1.4
NetLED1_2: LED1.2 RP2.1
NetLED2_2: LED2.2 RP2.2
NetLED3_2: LED3.2 RP2.3
NetLED4_2: LED4.2 RP2.4
NetLED5_1: LED5.1 LED6.1 R8.1
NetLED5_2: LED5.2 U7.6
NetLED6_2: LED6.2 U7.7
NetLS1_2: LS1.2 Q3.3
NetQ1_D: Q1.D RP2.5 RP2.6 RP2.7 RP2.8
NetQ3_1: Q3.1 R18.2 R19.2
NetR1_1: R1.1 U2.47
NetR2_1: R2.1 U2.46
NetR6_1: R6.1 U6.1
NetR9_2: R9.2 U7.2
NetR10_1: R10.1 U9.1
NetR17_1: R17.1 RP3.3
QSPI_SCLK: U2.52 U3.6
QSPI_SD0: U2.53 U3.5
QSPI_SD1: U2.55 U3.2
QSPI_SD2: U2.54 U3.3
QSPI_SD3: U2.51 U3.7
QSPI_SS: R4.2 R22.1 U2.56 U3.1
SCL: DE2.2 J2.3 U5.6 u8.23
SDA: DE1.2 J2.2 U5.5 u8.24
SWCLK: JP2.3 U2.24
SWDIO: JP2.1 U2.25
VSYS: LED1.1 LED2.1 LED3.1 LED4.1 LS1.1 S1.3 U1.3 U10.1 U10.3
X1: C13.2 U2.21 X1.1
X2: C14.2 U2.20 X1.3
pads on no net: "S1. " CON1.0 CON1.2 CON1.5 CON1.6 J1.0 J1.9 LS1.3 LS1.4 RP3. S1.0 S1.1 TYPEC1. TYPEC1.1 TYPEC1.2 TYPEC1.3 TYPEC1.4 TYPEC1.A5 TYPEC1.A8 TYPEC1.B5 TYPEC1.B8 U5.7 U6.4 U7.9 U7.10 U7.11 u8.2 u8.3 u8.4 u8.5 u8.6 u8.7 u8.14 u8.15 u8.16 u8.17 u8.19 u8.21 u8.22 u8.25 U9.4 U10.4

## Keep-outs
Keep-Out Layer:
  the board outline again, w0.5

## Silkscreen, mask and mechanical layers (free items; w line width, h text height)
Mechanical 1:
  the board outline again, w0.013

## Text inside footprints (layer, text, board x,y; h text height)
BAT？: Top Overlay "-" at 31.721,78.721 h2.5 r180; Top Overlay "-" at 12.421,78.721 h2.5 r180; Top Overlay "+" at 31.721,19.235 h2.5 r90; Top Overlay "+" at 12.421,19.235 h2.5 r90
J1: Top Overlay "1" at 181.121,245.595 h0.76; Top Overlay "2" at 180.029,245.621 h0.76; Top Overlay "3" at 178.962,245.621 h0.76; Top Overlay "4" at 177.768,245.621 h0.76; Top Overlay "5" at 176.701,245.646 h0.76; Top Overlay "6" at 175.635,245.646 h0.76; Top Overlay "7" at 174.568,245.646 h0.76; Top Overlay "8" at 173.45,245.672 h0.76; Top Overlay "Cd" at 172.104,246.23 h0.76 r270
JP1: Top Overlay "30" at 37.671,115.776 h1.02 r180; Top Overlay "29" at 37.671,118.316 h1.02 r180; Top Overlay "2" at 77.295,115.776 h1.02 r180; Top Overlay "1" at 77.041,118.316 h1.02 r180